# KiCad board power.kicad_pcb (continued)
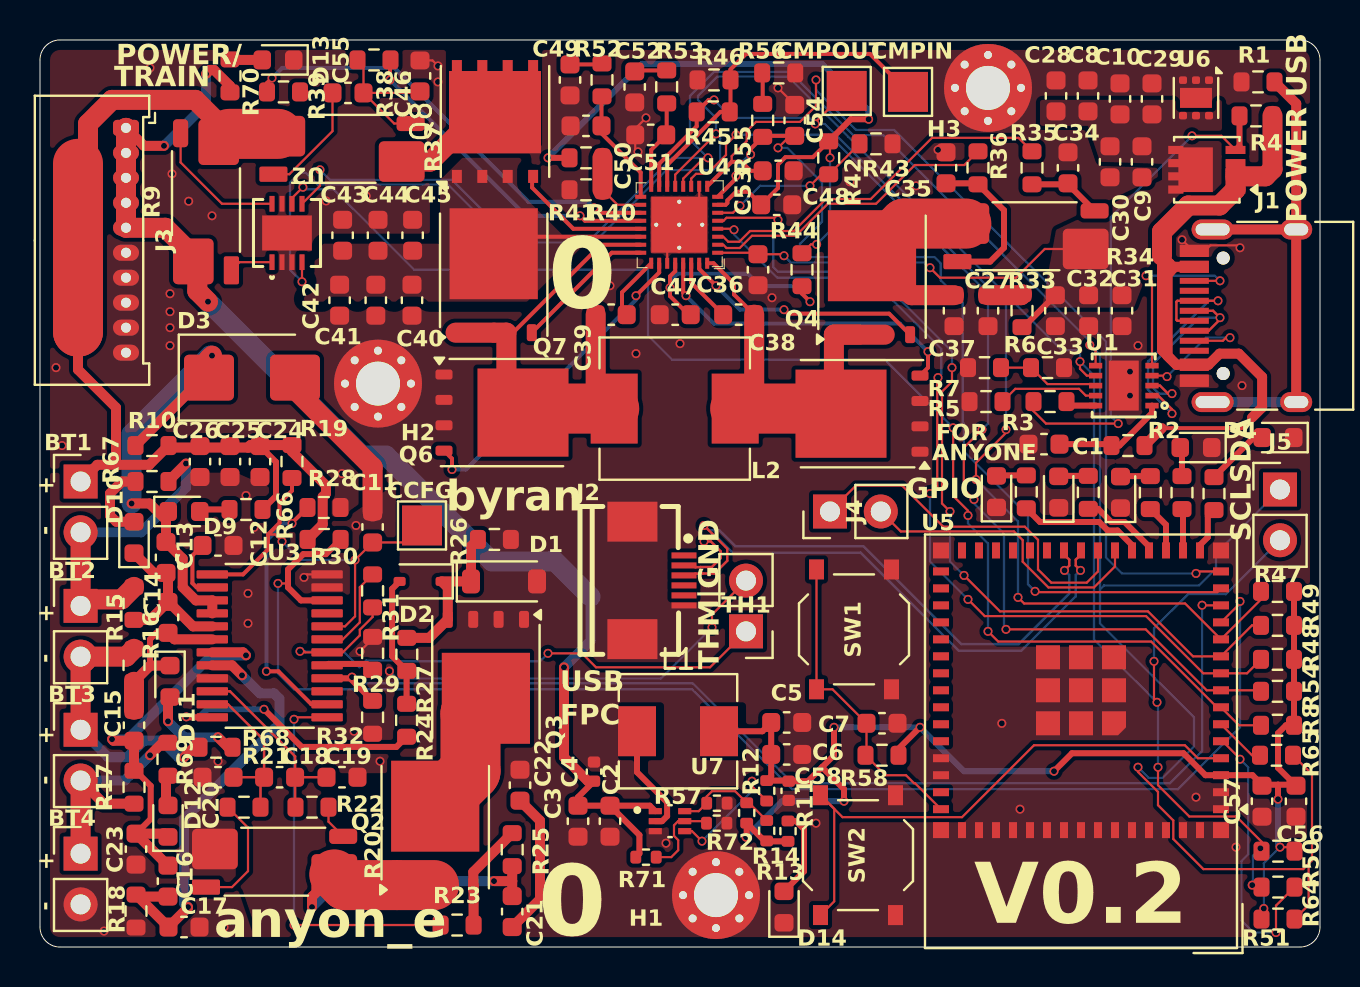
[diagram p0: board, top side]
## Footprints (pads in the part's own frame, mm; a bottom-side part is the same pattern mirrored in y, then rotated) (continued)
  rect 0.2x0.55 smd: 9(-1.4,-1.925) 10(-1,-1.925) 11(-0.6,-1.925) 12(-0.2,-1.925) 13(0.2,-1.925) 14(0.6,-1.925) 15(1,-1.925) 16(1.4,-1.925) 25(1.4,1.925) 26(1,1.925) 27(0.6,1.925) 28(0.2,1.925) 29(-0.2,1.925) 30(-0.6,1.925) 31(-1,1.925) 32(-1.4,1.925)
  round 0.5 hole 0.203: 33(-1.15,0) 33(0,1.15) 33(0,0) 33(0,-1.15) 33(1.15,0)
  rect 2.8x2.8 smd: 33(0,0)
SOP65P640X120-24N
  rrect 1.57x0.41 smd: 1(-2.87,3.575) 2(-2.87,2.925) 3(-2.87,2.275) 4(-2.87,1.625) 5(-2.87,0.975) 6(-2.87,0.325) 7(-2.87,-0.325) 8(-2.87,-0.975) 9(-2.87,-1.625) 10(-2.87,-2.275) 11(-2.87,-2.925) 12(-2.87,-3.575) 13(2.87,-3.575) 14(2.87,-2.925) 15(2.87,-2.275) 16(2.87,-1.625) 17(2.87,-0.975) 18(2.87,-0.325) 19(2.87,0.325) 20(2.87,0.975) 21(2.87,1.625) 22(2.87,2.275) 23(2.87,2.925) 24(2.87,3.575)
SOT50P160X60-6N
  rrect 0.66x0.31 smd: 1(-0.735,0.5) 2(-0.735,0) 3(-0.735,-0.5) 4(0.735,-0.5) 5(0.735,0) 6(0.735,0.5)
SW_Push_1P1T_XKB_TS-1187A
  rect 1x0.75 smd: 1(-3,1.875) 1(3,1.875) 2(-3,-1.875) 2(3,-1.875)
TDSON-8-1
  rrect 1.5x1.5 smd: (-0.2,0.85) (-0.2,-0.85) (1.5,0.85) (1.5,-0.85)
  custom 4.55x4.41 smd: (0.65,0)
  rrect 0.75x0.5 smd: (2.905,1.905) (2.905,0.635) (2.905,-0.635) (2.905,-1.905)
  rrect 0.85x0.5 smd: 1(-2.9,1.905) 2(-2.9,0.635) 3(-2.9,-0.635) 4(-2.9,-1.905)
  rect 4.55x4.41 smd: 5(1.05,0)
TestPoint_Pad_2.0x2.0mm
  rect 2x2 smd: 1(0,0)
USB_C_Receptacle_HRO_TYPE-C-31-M-12
  round 0.65 hole 0.65 unplated: (-2.89,2.6) (2.89,2.6)
  rect 0.6x1.45 smd: A1(-3.25,4.045) A4(-2.45,4.045) A9(2.45,4.045) A12(3.25,4.045) B1(3.25,4.045) B4(2.45,4.045) B9(-2.45,4.045) B12(-3.25,4.045)
  rect 0.3x1.45 smd: A5(-1.25,4.045) A6(-0.25,4.045) A7(0.25,4.045) A8(1.25,4.045) B5(1.75,4.045) B6(0.75,4.045) B7(-0.75,4.045) B8(-1.75,4.045)
  oval 1x2.1 hole 0.6x1.7: S1(-4.32,3.13) S1(4.32,3.13)
  oval 1x1.6 hole 0.6x1.2: S1(-4.32,-1.05) S1(4.32,-1.05)
Vishay_PowerPAK_1212-8_Single
  rect 0.99x0.405 smd: 1(-1.435,0.99) 2(-1.435,0.33) 3(-1.435,-0.33) 4(-1.435,-0.99)
  custom 2.235x2.39 smd: 5(0.557,0)
WSON-6-1EP_2x2mm_P0.65mm_EP1x1.6mm
  rrect 0.81x0.64 smd: (0,0.4) (0,-0.4)
  rrect 0.375x0.4 smd: 1(-0.887,0.65) 2(-0.887,0) 3(-0.887,-0.65) 4(0.887,-0.65) 5(0.887,0) 6(0.887,0.65)
  rect 1x1.6 smd: 7(0,0)

## Nets
+3.3V: C5.1 C6.1 C56.2 C57.2 C58.1 L1.2 R8.2 R11.2 R12.2 R13.2 R14.2 R47.2 R48.2 R49.2 R50.2 R51.2 R54.2 R58.2 U5.3
/3V3_SW: L1.1 U7.2
/VBUS: C8.1 C9.1 C10.1 C28.1 C29.1 C30.1 C31.1 C32.1 C33.1 C36.1 Q1.5 R33.2 R34.4 U4.1 U6.4 U6.5 U6.6
/VDDA: C48.1 R40.2 R42.2 R44.1 U4.7
GND: C1.2 C2.2 C3.2 C4.2 C5.2 C6.2 C7.1 C8.2 C9.2 C10.2 C22.2 C27.2 C28.2 C29.2 C30.2 C31.2 C32.2 C33.2 C34.2 C35.2 C36.2 C37.2 C40.2 C41.2 C42.2 C43.2 C44.2 C45.2 C46.2 C47.2 C48.2 C49.2 C50.2 C51.2 C52.2 C53.1 C54.1 C56.1 C57.1 C58.2 D1.2 D4.1 D5.1 D6.1 D7.1 D8.1 D13.1 D14.1 H1.1 H2.1 H3.1 J1.A1 J1.A12 J1.B1 J1.B12 J2.6 J2.MP J3.6 J3.7 J3.8 J3.9 J3.10 Q3.1 Q3.2 Q3.3 Q5.1 Q5.2 Q5.3 Q6.1 Q6.2 Q6.3 R1.2 R5.2 R6.2 R7.2 R26.1 R28.1 R41.1 R43.1 R46.1 R56.1 R57.1 R72.1 SW1.2 SW2.2 U1.11 U2.2 U2.3 U2.7 U2.9 U4.10 U4.27 U4.33 U5.1 U5.2 U5.42 U5.43 U5.46 U5.47 U5.48 U5.49 U5.50 U5.51 U5.52 U5.53 U5.54 U5.55 U5.56 U5.57 U5.58 U5.59 U5.60 U5.61 U5.62 U5.63 U5.64 U5.65 U6.1 U6.2 U6.3 U6.7 U7.3
GNDPWR: BT4.2 C11.2 C12.2 C17.2 C19.2 C20.2 C23.2 C24.2 C25.2 C26.2 D3.2 R18.1 R20.1 R29.2 R32.2 TH1.2 U3.9 U3.23 U3.24
VDD: C2.1 C3.1 C4.1 J3.1 J3.2 J3.3 J3.4 J3.5 R9.1 R70.1 R71.2 U7.1
/BATDRV_N: Q8.4 U4.21
/BMS_SRN: C18.1 C20.1 R21.2 U3.11
/BMS_SRP: C18.2 C19.1 R22.2 U3.10
/BTST1: C38.2 U4.30
/BTST2: C39.2 U4.25
/C1: BT3.2 BT4.1 R17.1 R69.1
/C2: BT2.2 BT3.1 R16.1 R68.1
/C3: BT1.2 BT2.1 R15.1 R67.1
/C4: BT1.1 C24.1 C25.1 C26.1 R9.4 R10.1 R19.1 R30.2 R37.1 R66.1
/CBI: R32.1 U3.16 U5.13
/CC1: J1.A5 U1.4
/CC2: J1.B5 U1.5
/CELL_BATPRES: R40.1 R41.2 U4.18
/CHG: Q2.4 R23.2 R25.2
/CHRG_OK: R48.1 U4.4 U5.9
/CMPOUT: R45.2 R47.1 TP3.1 U4.15 U5.11
/COMP1: C51.1 R53.2 U4.16
/COMP2: C50.1 R52.2 U4.17
/D+: J1.A6 J1.B6 U1.2
/D-: J1.A7 J1.B7 U1.3
/DSG: D1.1 D2.1 Q3.4 R26.2 R27.2
/EN: C7.2 R58.1 SW1.1 U5.45
/EN_OTG: R49.1 U4.5 U5.10
/HIDRV1: Q4.4 U4.31
/HIDRV2: Q7.4 U4.24
/IADPT: C54.2 R55.2 U4.8 U5.14
/IBAT: C53.2 U4.9 U5.15
/ILIM_HIZ: R42.1 R43.2 U4.6
/IO0: SW2.1 U5.4
/LD: R28.2 U3.14
/LED1: R59.1 U5.16
/LED2: R60.1 U5.17
/LED3: R61.1 U5.18
/LED4: R62.1 U5.19
/LED5: R63.1 U5.20
/LODRV1: Q5.4 U4.29
/LODRV2: Q6.4 U4.26
/PRES: R30.1 U3.22 U5.12
/PROCHOT_N: R54.1 U4.11 U5.8
/REGN: C47.1 R44.2 U4.28
/RXD0: U5.40
/SCL: J5.2 R50.1 R64.2 U1.7 U2.4 U4.13
/SDA: J5.1 R51.1 R65.2 U1.6 U2.5 U4.12
/SRN: R39.1 U4.19
/SRP: R38.1 U4.20
/SW1: C38.1 L2.1 Q4.1 Q4.2 Q4.3 Q5.5 U4.32
/SW2: C39.1 L2.2 Q6.5 Q7.1 Q7.2 Q7.3 U4.23
/TXD0: U5.39
/USB_D+: J2.3 U5.24
/USB_D-: J2.2 U5.23
/USB_VBUS: J2.1
/VC0: C16.2 C17.1 R18.2 U3.8
/VC1: C15.2 C16.1 C23.1 D12.1 R17.2 U3.7
/VC2: C14.2 C15.1 D11.1 R16.2 U3.6
/VC3: C13.2 C14.1 D10.1 R15.2 U3.5
/VC4: C13.1 D3.1 D9.1 R10.2 U3.3 U3.4
/VSYS: C40.1 C41.1 C42.1 C43.1 C44.1 C45.1 Q7.5 Q8.1 Q8.2 Q8.3 U4.22
/~{ALCC}: R8.1 U2.6 U5.7
Net-(C21-Pad1): C21.1 Q2.1 Q2.2 Q2.3 R20.4 R25.1
Net-(C21-Pad2): C21.2 C22.1
Net-(C27-Pad1): C27.1 R33.1
Net-(C34-Pad1): C34.1 R34.3 R35.2
Net-(C35-Pad1): C35.1 R34.2 R36.2
Net-(C46-Pad1): C46.1 C55.1 R37.3 R38.2
Net-(C49-Pad1): C49.1 R52.1
Net-(C52-Pad1): C52.1 R53.1
Net-(C55-Pad2): C55.2 R37.2 R39.2
Net-(D2-A): D2.2 R24.2 R27.1
Net-(D4-A): D4.2 R59.2
Net-(D5-A): D5.2 R60.2
Net-(D6-A): D6.2 R61.2
Net-(D7-A): D7.2 R62.2
Net-(D8-A): D8.2 R63.2
Net-(D9-A): D9.2 R66.2
Net-(D10-A): D10.2 R67.2
Net-(D11-A): D11.2 R68.2
Net-(D12-A): D12.2 R69.2
Net-(D13-A): D13.2 R70.2
Net-(D14-A): D14.2 R11.1
Net-(J1-SHIELD): J1.S1 R1.1
Net-(J1-VBUS-PadA4): J1.A4 J1.A9 J1.B4 J1.B9 Q1.1 Q1.2 Q1.3 R2.1 R4.2
Net-(J4-Pin_1): J4.1 U5.22
Net-(J4-Pin_2): J4.2 U5.21
Net-(Q1-G): Q1.4 R3.2 R4.1
Net-(Q2-D): Q2.5 Q3.5
Net-(Q4-D): C37.1 Q4.5 R34.1
Net-(Q8-D): Q8.5 R37.4
Net-(R20-Pad2): R20.2 R21.1
Net-(R20-Pad3): R20.3 R22.1
Net-(R55-Pad1): R55.1 R56.2
Net-(U1-GATE): R3.1 U1.10
Net-(U1-ISET): R5.1 U1.9
Net-(U1-VIN): C1.1 R2.2 U1.1
Net-(U1-VSET): R6.1 R7.1 U1.8
Net-(U2-SENSE+): R9.2 U2.1
Net-(U2-SENSE-): R9.3 U2.8
Net-(U3-AVDD): C12.1 U3.2
Net-(U3-CCFG): C11.1 R19.2 TP1.1 U3.1 U3.20
Net-(U3-CHG): R23.1 U3.13
Net-(U3-DSG): R24.1 U3.12
Net-(U3-OCDP): R29.1 U3.17
Net-(U3-TS): R31.2 TH1.1 U3.18
Net-(U3-VTB): R31.1 U3.19
Net-(U4-ACN): R36.1 U4.2
Net-(U4-ACP): R35.1 U4.3
Net-(U4-CMPIN): R45.1 R46.2 TP2.1 U4.14
Net-(U5-IO1): R64.1 U5.5
Net-(U5-IO2): R65.1 U5.6
Net-(U7-EN): R71.1 R72.2 U7.5
Net-(U7-FB): R13.1 R14.1 R57.2 U7.6
Net-(U7-PG): R12.1 U7.4

Pads without a net: J1 A8 B8; J2 4 5; U3 15 21; U5 25 26 27 28 29 30 31 32 33 34 35 36 37 38 41 44

## Via types
v1: diameter 0.45, hole 0.3, Top to Bottom, 167 vias

## Routing (per net, layer and track width the routed paths; a pad name or vN(x,y) marks a point on that pad's centre or on a via; arc(x,y) is an arc through that point)
+3.3V: length 67.7
  Top w0.11: R50.2 62.53,5 v1(62,5) ; R51.2 61.19,1.51 v1(61.19,1.93)
  Top w0.3: 62.62,11.02 R8.2 ; R8.2 62.3,11.1 61.9,10.7 61.9,8.97 C56.2 62.75,8.12 61.9,8.12 ; R8.2 R54.2 R48.2 R49.2 R47.2 ; 61.9,8.12 61.1,8.12 60.62,8.6 U5.3 58.27,8.6 57.17,9.7 51.6,9.7 v1(50.7,8.8) ; 61.9,8.12 v1(61.9,7.4) ; 39.1,9 39.7,9.6 v1(39.7,11) ; 39.1,9 40.2,7.9 v1(40.2,7.3) ; 39.1,9 38.4,8.3 C58.1 37.41,8.33 R12.2 36.56,8.55 C6.1 C5.1 36.12,10.8 L1.2 ; v1(44,11) 42.93,9.92 R58.2 ; v1(35.3,5.5) 35.34,5.53 R14.2 36.23,5.31 R13.2 36.36,5.29 R11.2
  Bottom w0.11: v1(62,5) 61.19,4.19 v1(61.19,1.93)
  Bottom w0.3: v1(61.9,7.4) 61.9,5.1 v1(62,5) ; v1(35.3,5.5) 37.1,7.3 v1(40.2,7.3) ; v1(39.7,11) v1(44,11) 46.2,8.8 v1(50.7,8.8)
/3V3_SW: length 5.6
  Top w0.3: L1.1 29.85,8.75 31.36,7.24 31.36,6.55 31.1,6.3 U7.2
/VBUS: length 21.8
  Top w0.11: v1(37.2,34.6) 37.12,34.67 C36.1 35.83,34.75 U4.1 ; R34.4 50.24,34.94 48.8,33.5 45,33.5 v1(44.5,34)
  Top w0.3: R33.2 49.17,31.02 50.77,32.62
  Bottom w0.11: v1(44.5,34) 44.24,34.26 37.54,34.26 v1(37.2,34.6)
/VDDA: length 37.5
  Top w0.11: v1(38.83,35.17) 38.54,35.17 R44.1 ; v1(39.5,39.5) 39.5,40.26 R42.2
  Top w0.2: R42.2 38.65,39.53 37.27,39.53 36.9,39.16 36.9,37.99 C48.1 35.41,37.8 34.8,37.8 34.37,37.37 34.37,37.24 34.28,37.15 U4.7
  Top w0.3: v1(41.43,41.43) 40.54,41.43 R42.2 ; R40.2 v1(25.4,39.5)
  Bottom w0.11: v1(39.5,39.5) 39.5,35.84 v1(38.83,35.17)
  Bottom w0.3: v1(25.4,39.5) 30.1,44.2 39.1,44.2 41.43,41.87 v1(41.43,41.43)
GND: length 11.5
  Top w0.11: U4.10 32.96,37.15 32.32,36.51 ; U4.27 31.36,35.55 U4.33 ; C54.1 37.74,42.16 v1(36.9,43) ; C46.2 19.62,44.37 v1(19.9,44.1) ; v1(57.1,35.4) 57.66,34.84 J1.A12 58.25,34.84 58.52,35.12 59.88,35.12 v1(60,35) ; v1(29.9,39.8) 29.76,39.94 C51.2 29.76,40.96 v1(30.3,41.5)
  vias: v1(0.8,29) v1(1.1,25.1) v1(5.5,44) v1(6.5,32.7) v1(6.5,31.8) v1(6.5,31) v1(6.5,30.1) v1(6.6,38.7) v1(7.43,37.33) v1(8.6,36.6) v1(14.31,37.34) v1(15.1,23.7) v1(16.31,37.59) v1(19.9,43.3) v1(28.5,33.1) v1(29.8,29.7) v1(31.3,5.2) v1(32,30.2) v1(36.6,32.5) v1(38.8,6.2) v1(40.5,38.3) v1(43.8,38.1) v1(44.9,39.9) v1(48.09,11.2) v1(49,6.9) v1(54.5,28.8) v1(54.5,27.6) v1(54.9,30.1) v1(57.8,7.5) v1(59.8,5) v1(60.1,28.1)
GNDPWR: length 30.9
  Top w0.11: v1(13.2,18.5) 13.35,18.65 U3.24 ; TH1.2 33.6,16.64 v1(33.6,16) ; R29.2 16.63,15.43 v1(16,14.8)
  Top w1: C11.2 16.63,24.02 12.75,27.9 D3.2
  Bottom w0.11: v1(17.47,13.81) 17.84,13.44 31.04,13.44 v1(33.6,16)
  vias: v1(3.2,0.8) v1(8.9,9.3) v1(9.2,1) v1(10.3,22.6) v1(10.4,17.7) v1(10.4,16.2) v1(10.7,21) v1(15.7,10.8) v1(15.8,21.1) v1(17,9.3)
VDD: length 64.8
  Top w0.3: U7.1 30.49,7.07 C2.1 ; C4.1 26.9,7.5 C3.1 C2.1 ; R71.2 29.97,4.68 29.97,5.6 C2.1
  Top w0.5: J3.1 5.2,40.1 v1(6.2,40.1) ; v1(26.2,14) 26.2,9.5 27.4,8.3 C4.1 ; R70.1 9.5,43.1 8.7,43.9 8.5,43.9 v1(8.3,43.7)
  Top w1: v1(8.4,32.3) 7.87,32.83 7.87,34.4 6.27,36 J3.5 J3.4 J3.1
  Bottom w0.5: v1(26.2,14) 27.53,15.33 27.53,17.53 ; v1(6.2,40.1) 8.3,42.2 v1(8.3,43.7)
  Bottom w1: v1(8.4,32.3) 16.1,24.6 17.3,24.6 22.6,19.3 25.76,19.3 27.53,17.53
/BATDRV_N: length 6.8
  Top w0.2: 30.04,35.95 26.66,35.95 24.61,38.01 24.61,38.55
/BMS_SRN: length 8.3
  Top w0.122: U3.11 9.4,12.15 11.21,10.34 C18.1 ; R21.2 11.03,8.32 C18.1 ; C18.1 C20.1
/BMS_SRP: length 9.6
  Top w0.122: U3.10 9.5,12.8 12.76,9.54 C18.2 ; C18.2 C19.1 ; C18.2 12.76,7.02 R22.2
/BTST1: length 3.2
  Top w0.2: U4.30 32.56,33.25 C38.2
/BTST2: length 3.3
  Top w0.2: C39.2 29.1,31.88 29.1,32.77 U4.25
/C1: length 12
  Top w0.5: v1(5.5,9.6) 6.12,10.22 R69.1 ; BT3.2 3.19,7.17 R17.1
  Top w1: BT4.1 BT3.2
  Bottom w0.5: BT3.2 4.24,8.33 v1(5.5,9.6)
/C2: length 13.9
  Top w0.5: R68.1 7.7,10 v1(7.2,9.5)
  Top w1: 4.7,14.92 4.31,14.53 BT2.2 BT3.1
  Bottom w0.5: v1(7.2,9.5) 6.91,9.5 6.08,10.33 5.2,10.33 4.37,9.5 3.41,9.5 BT3.1
/C3: length 15.4
  Top w0.5: v1(7.3,24.2) 6.43,23.32 R67.1
  Top w1: R15.1 4.08,17.4 2.36,17.4 BT2.1 BT1.2
  Bottom w0.5: BT1.2 5.06,20.76 7.3,23 v1(7.3,24.2)
/C4: length 50.4
  Top w0.11: 9.47,40.7 9.05,40.28 R9.4
  Top w0.3: R66.1 11.8,22.57 11.8,24.27 C24.1
  Top w0.5: C24.1 10.93,25 10.4,25 ; 10.4,25 6.53,25 R10.1 5.46,24.13 3.8,24.13 ; 10.4,25 10.53,25.12 R19.1 12.6,24.8 14.3,23.1 14.3,22.7 14.14,22.53 14.14,21.15 R30.2 ; 1.9,30.8 1.9,28.9 3.8,27 3.8,24.13 ; 3.8,24.13 2.87,24.13 BT1.1
  Top w1: 2.4,39.7 2.4,41.2 3.6,42.4 7.77,42.4 9.47,40.7
  Top w2.5: 9.47,40.7 11.9,40.7 ; 1.9,39.2 1.9,30.8
/CBI: length 56.8
  Top w0.11: v1(15.6,13.51) 15.6,13.35 15.83,13.13 ; v1(58.1,17.11) 58.11,17.1 U5.13
  Top w0.3: U3.16 15.51,13.45 R32.1
  Bottom w0.11: v1(58.1,17.11) 58.1,9.8 56.5,8.2 37.64,8.2 32.64,13.2 15.91,13.2 v1(15.6,13.51)
/CC1: length 6.6
  Top w0.11: U1.4 56.3,28.6 v1(56.35,28.55) ; v1(59.5,30.5) 59.3,30.5 59.15,30.34 J1.A5
  Bottom w0.11: v1(59.5,30.5) 58.3,30.5 v1(56.35,28.55)
/CC2: length 9.7
  Top w0.11: v1(55.3,33.6) 55.6,33.3 U1.5 ; v1(59,33.34) J1.B5
  Bottom w0.11: v1(59,33.34) 58.75,33.6 v1(55.3,33.6)
/CELL_BATPRES: length 3.8
  Top w0.11: R41.2 28.88,37.15 30.04,37.15
  Top w1: R41.2 R40.1
/CHG: length 5.4
  Top w0.5: R25.2 21.67,3.75 Q2.4 21.68,3.08 R23.2
/CHRG_OK: length 43.8
  Top w0.11: v1(44.5,22.7) 44.86,23.06 44.86,28.46 v1(44.9,28.5) ; U4.4 34.65,35.95 v1(34.7,35.9) ; v1(46.4,17.4) 47.24,16.56 55.3,16.56 58.16,13.7 U5.9 60.35,13.7 R48.1
  Bottom w0.11: v1(44.9,28.5) 45.06,28.66 45.06,29.93 41.5,33.5 36.86,33.5 34.7,35.66 v1(34.7,35.9) ; v1(44.5,22.7) 44.5,19.3 v1(46.4,17.4)
/CMPOUT: length 57.1
  Top w0.11: v1(48.3,25.9) 48.3,25.74 46.8,24.24 v1(46.8,23.4) ; R47.1 61.05,17.4 U5.11 57.26,17.19 49.21,17.19 v1(48.9,17.5) ; TP3.1 38.76,41.28 v1(38.76,41.2)
  Top w0.2: v1(33.7,42.4) 33.44,42.4 R45.2 32.84,41.08 30.96,39.2 U4.15
  Bottom w0.11: v1(48.9,17.5) 48.9,21.3 v1(46.8,23.4) ; v1(48.3,25.9) 48.3,32.14 39.24,41.2 v1(38.76,41.2) 38.46,41.5 34.6,41.5 v1(33.7,42.4)
/COMP1: length 4.5
  Top w0.2: R53.2 31.34,40.67 C51.1 30.56,39.9 U4.16
/COMP2: length 5.8
  Top w0.2: 30.04,37.55 30.04,38.76 28.08,40.72 C50.1 28.08,42.55 R52.2
/D+: length 13.3
  Top w0.122: U1.2 55.91,27.6 56.6,26.91 v1(56.6,26.7) ; J1.A6 56.87,31.34 56.82,31.39 56.82,32.3 56.87,32.34 J1.B6 v1(58.9,32.34)
  Bottom w0.122: v1(58.9,32.34) 58.45,32.34 55.4,29.3 55.4,27.9 v1(56.6,26.7)
/D-: length 10.8
  Top w0.122: J1.A7 58.66,31.84 v1(59,31.5) 59,31.41 58.43,30.84 J1.B7 ; U1.3 56,28.1 56.4,27.7 v1(56.6,27.7)
  Bottom w0.122: v1(56.6,27.7) 55.95,27.7 55.65,28 55.65,29.2 57.95,31.5 v1(59,31.5)
/DSG: length 8.2
  Top w0.5: R26.2 21.55,20.05 D1.1 D2.1 20.39,17.99 Q3.4 19.47,15.47 R27.2
/EN: length 15.7
  Top w0.11: SW1.1 SW1.1 39.62,12.9 C7.2 41.33,9.65 R58.1 42.28,8.6 43.3,8.6 43.7,8.2 43.75,8.2 U5.45
/EN_OTG: length 45.3
  Top w0.11: v1(36.9,36.4) 36.8,36.5 34.32,36.5 34.18,36.35 U4.5 ; R49.1 60.6,16.1 U5.10 57.65,14.55 55.4,16.8 48,16.8 v1(46.2,18.6) ; v1(45.5,21.8) 45.1,22.2 45.1,27.8 45.6,28.3 v1(45.6,29)
  Bottom w0.11: v1(46.2,18.6) 45.5,19.3 v1(45.5,21.8) ; v1(45.6,29) 45.6,29.8 41.6,33.8 36.9,33.8 36.67,34.03 36.67,36.16 v1(36.9,36.4)
/HIDRV1: length 12.2
  Top w0.2: v1(37.2,31.9) 37.4,31.7 42.46,31.7 Q4.4 ; v1(33.8,33.1) 32.96,33.94 U4.31
  Bottom w0.2: v1(37.2,31.9) 35,31.9 v1(33.8,33.1)
/HIDRV2: length 7.1
  Top w0.2: Q7.4 28.59,34.75 30.04,34.75
/IADPT: length 48.5
  Top w0.11: v1(36.9,40) 37.5,40.6 C54.2 ; U5.14 58.86,17.76 49.79,17.76 v1(49.75,17.8)
  Top w0.2: C54.2 36.19,40.6 R55.2 35.53,39.94 v1(35.53,39.67) ; v1(34.8,38.6) 34.8,38.47 U4.8
  Bottom w0.11: v1(49.75,17.8) 49.4,18.16 49.4,21.6 46.19,24.81 46.19,26.21 46.14,26.26 46.14,32.26 45.04,33.36 45.04,34.22 44.72,34.53 38.34,34.53 38.3,34.5 38,34.8 38,35.2 39.1,36.3 39.1,38.26 37.36,40 v1(36.9,40)
  Bottom w0.2: v1(35.53,39.67) 34.8,38.94 v1(34.8,38.6)
/IBAT: length 47.7
  Top w0.11: v1(38.8,43.4) 38.8,42.1 38,41.3 35.8,41.3 35.34,40.83 35.34,40.34 34.58,39.59 34.58,39.3 ; v1(57.8,18.7) 57.9,18.8 U5.15
  Top w0.2: U4.9 34.58,39.3 35.08,39.3 35.53,38.85 C53.2
  Bottom w0.11: v1(57.8,18.7) 54.1,18.7 53.3,19.5 53.3,30.3 42.7,40.9 40.8,40.9 38.8,42.9 v1(38.8,43.4)
/ILIM_HIZ: length 8.5
  Top w0.11: v1(35,37.1) 34.65,36.75 U4.6 ; v1(38.5,38.1) 39.08,38.67 R42.1 39.45,38.67 R43.2
  Bottom w0.11: v1(38.5,38.1) 36,38.1 v1(35,37.1)
/IO0: length 28.9
  Top w0.11: SW2.1 39.71,2.28 39.71,6.91 SW2.1 ; SW2.1 39.11,7.51 ; SW2.1 40.12,6.5 46.1,6.5 49.7,10.1 57.24,10.1 57.89,9.45 U5.4
/LD: length 13
  Top w0.2: R28.2 12.6,21.22 v1(12.6,21.2) ; U3.14 13.57,12.15 11.92,13.8 v1(11.32,13.8)
  Bottom w0.2: v1(11.32,13.8) 11.32,20.34 12.18,21.2 v1(12.6,21.2)
/LED1: length 2.3
  Top w0.3: R59.1 58.39,21.56 58.39,20.51 58,20.12 U5.16
/LED2: length 2.1
  Top w0.3: R60.1 57.15,21.87 U5.17
/LED3: length 2.4
  Top w0.3: U5.18 56.3,21.13 R61.1
/LED4: length 4
  Top w0.3: R62.1 52.91,21.93 53.56,21.27 54.23,21.27 55.45,20.05 U5.19
/LED5: length 6.3
  Top w0.3: U5.20 54.6,20.12 53.87,20.85 53.39,20.85 52.96,21.27 50,21.27 R63.1
/LODRV1: length 16.3
  Top w0.2: v1(44.4,29.8) 44.4,29 Q5.4 ; U4.29 32.16,32.74 v1(32.3,32.6)
  Bottom w0.2: v1(44.4,29.8) 43,31.2 33.7,31.2 v1(32.3,32.6)
/LODRV2: length 16.1
  Top w0.2: v1(20.6,23.9) 20.6,24.44 Q6.4 ; v1(29.8,32.6) 30.96,33.76 U4.26
  Bottom w0.2: v1(20.6,23.9) 21.3,23.9 29.8,32.4 v1(29.8,32.6)
/PRES: length 70.9
  Top w0.11: U5.12 60,17.2 v1(60,17.3) ; 12.4,18.2 v1(11.9,18.2)
  Top w0.3: R30.1 14.3,19.66 13.17,19.66 12.4,18.9 12.4,18 13.05,17.35 U3.22
  Bottom w0.11: v1(11.9,18.2) 11.9,13.7 12.7,12.9 32.6,12.9 37.6,7.9 56.9,7.9 60,11 v1(60,17.3)
/PROCHOT_N: length 51.9
  Top w0.11: v1(34.8,40.65) 34.3,40.15 34.3,39.64 33.36,38.7 32.8,38.7 32.56,38.46 U4.11 ; v1(46.7,22.4) 46.19,22.91 46.19,24.99 v1(47.1,25.9) ; R54.1 61,12.85 U5.8 58.34,12.85 55.29,15.9 v1(48.3,15.9)
  Bottom w0.11: v1(46.7,22.4) 46.7,22.2 48.2,20.7 48.2,16 v1(48.3,15.9) ; v1(47.1,25.9) 47.4,26.2 47.4,32.7 39.45,40.65 v1(34.8,40.65)
/REGN: length 12.2
  Top w0.2: U4.28 31.76,33.83 31.5,33.57 v1(31.5,33) 31.5,32.58 32.43,31.65 C47.1 ; R44.2 38.1,32.7 v1(38.5,32.3)
  Bottom w0.2: v1(31.5,33) 31.5,33.32 31.88,33.7 35.4,33.7 36.02,33.08 37.72,33.08 v1(38.5,32.3)
/SCL: length 109.5
  Top w0.11: v1(61.02,4.94) 61.02,4.85 R50.1 61.08,5.27 59.81,6.53 57.47,6.53 55.9,8.1 v1(55.9,9) ; v1(55.7,14.3) 55.7,12.4 v1(55.85,12.25) ; U1.7 52.34,28.6 52,28.94 v1(52,29.3) ; R64.2 60.98,3.1 v1(60.61,3.1) ; v1(33.8,40.7) 31.76,38.66 U4.13 ; U2.4 v1(13.1,33.3)
  Bottom w0.11: v1(60.61,3.1) 60.65,3.14 60.65,4.57 v1(61.02,4.94) ; 22.18,36.38 20.4,38.16 13.87,38.16 13.29,38.75 12.99,38.75 12.5,38.26 12.5,33.9 v1(13.1,33.3) ; 22.18,36.38 23.3,35.26 27.7,35.26 31.33,38.89 33.65,38.89 34.01,39.25 34.01,40.49 v1(33.8,40.7) 33.8,41.5 32.9,42.4 32.9,42.6 33.86,43.56 37.4,43.56 51.09,29.88 51.88,29.88 52,29.76 v1(52,29.3) 52.7,28.6 52.7,15.4 v1(55.85,12.25) 55.9,12.2 v1(55.9,9) ; 22.18,36.38 22.16,36.4 ; J5.2 59.3,17.66 57.4,17.66 55.7,15.96 v1(55.7,14.3)
/SDA: length 115.7
  Top w0.11: v1(54.9,9) 54.9,8.76 55.9,7.76 55.9,7.1 56.67,6.33 56.67,5.41 58.17,3.9 63.16,3.9 63.43,4.17 ; R65.2 63.6,8.65 63.6,4.34 63.43,4.17 ; v1(52.49,30.13) 52.78,29.84 U1.6 ; 63.43,4.17 63.43,2.11 R51.1 ; U4.12 32.16,38.46 33.2,39.5 v1(33.4,39.5) ; U2.5 14,38.1 v1(14,38.9)
  Bottom w0.11: v1(54.9,9) 55.44,8.46 56.12,8.46 57.7,10.04 57.7,11.5 53,16.2 53,29.62 v1(52.49,30.13) 52.49,30.31 42.16,40.64 40.66,40.64 37.5,43.8 33.7,43.8 32.5,42.6 32.5,40.4 v1(33.4,39.5) 31.6,39.5 27.6,35.5 23.5,35.5 20.6,38.4 14.5,38.4 v1(14,38.9) ; 53,17.9 53.2,18.1 57.96,18.1 58.8,18.94 58.8,19.7 J5.1
/SRN: length 22.4
  Top w0.2: v1(27.7,37) 27.95,36.75 30.04,36.75 ; v1(11.6,43.49) 11.35,43.24 R39.1
  Bottom w0.2: v1(27.7,37) 27.4,37.3 24.42,37.3 17.72,44 12.11,44 v1(11.6,43.49)
/SRP: length 16.5
  Top w0.2: 30.04,36.35 27.25,36.35 v1(27,36.6) ; R38.1 17.5,44.37 v1(17.5,43.4)
  Bottom w0.2: v1(17.5,43.4) 24.3,36.6 v1(27,36.6)
/SW1: length 22.1
  Top w0.2: C38.1 34.7,32.66 34.7,33.2 33.67,34.23 U4.32
  Top w1: Q4.1 40.97,30.65 ; Q4.1 39.7,27.05 Q5.5 ; Q4.1 Q4.3 ; C38.1 35.71,27.9 L2.1
  Top w2.5: Q5.5 39.8,26.95 L2.1
/SW2: length 25.8
  Top w0.2: 30.04,35.15 28.05,35.15 23.65,30.75 22.7,30.75
  Top w1: Q6.5 23.32,27.58 Q7.3 Q7.1 ; C39.1 27.79,27.87 L2.2
  Top w2.5: Q6.5 24.35,26.95 L2.2
/USB_D+: length 28.9
  Top w0.122: v1(33.2,21.1) 34.36,19.94 34.36,19.33 33.73,18.7 33.15,18.7 33.14,18.69 32.76,18.69 32.68,18.6 J2.3 ; v1(51.23,18.85) 51.46,19.09 51.46,19.39 51.2,19.65 U5.24
  Bottom w0.122: v1(51.23,18.85) 51.46,18.61 51.46,17.69 48.93,15.16 46.07,15.16 41.17,20.06 34.77,20.06 33.97,20.86 33.44,20.86 v1(33.2,21.1)
/USB_D-: length 28.2
  Top w0.122: U5.23 52.05,19.65 51.79,19.39 51.79,19.09 v1(52.03,18.85) ; v1(33.2,20.3) 33.54,20.3 34.04,19.8 34.04,19.47 33.59,19.02 33.02,19.02 33.01,19.01 32.76,19.01 32.68,19.1 J2.2
  Bottom w0.122: v1(33.2,20.3) 33.44,20.54 33.83,20.54 34.63,19.74 41.03,19.74 45.93,14.84 49.07,14.84 51.79,17.56 51.79,18.61 v1(52.03,18.85)
/VC0: length 21.9
  Top w0.5: v1(10.1,13.6) 9.6,14.1 U3.8 ; v1(7.4,2) 7.4,1.97 C17.1 R18.2 4.9,2.52 C16.2
  Bottom w0.5: v1(10.1,13.6) 11,12.7 11.7,12.7 11.97,12.43 11.97,11.17 7.2,6.4 7.2,2.2 v1(7.4,2)
/VC1: length 20.6
  Top w0.3: R17.2 4.78,8.82 5.54,8.06 5.54,6.41 C23.1
  Top w0.5: C16.1 C23.1 6.24,5.67 D12.1 ; v1(3.6,10.4) 3.68,10.32 C15.2 R17.2 ; v1(10.3,14.6) 10.15,14.75 U3.7
  Bottom w0.5: v1(3.6,10.4) 4.38,10.4 8.58,14.6 v1(10.3,14.6)
/VC2: length 9.4
  Top w0.3: 4.7,13.27 5.5,14.07 5.5,15.4 5.83,15.72 C14.2
  Top w0.5: U3.6 6.73,15.4 C14.2 ; D11.1 5.51,14.09 4.7,13.27
  Top w1: C15.1 4.7,13.27
/VC3: length 8.3
  Top w0.5: D10.1 5.69,18.72 C13.2 6.4,18.62 C14.1 ; C14.1 6.43,17.27 7.65,16.05 U3.5 ; C14.1 5.5,16.37 R15.2
/VC4: length 23.5
  Top w0.5: D3.1 8.18,28.5 R10.2 ; U3.4 U3.3 7.79,17.35 7.14,18.01 7.14,19.44 C13.1 6.3,21.38 5.48,22.2 v1(4.58,22.2)
  Top w1: v1(8.6,29.6) 8.45,29.45 D3.1
  Bottom w1: v1(8.6,29.6) 8.5,29.6 4.58,25.68 v1(4.58,22.2)
/VSYS: length 7.7
  Top w0.2: 30.04,35.55 23.54,35.55 Q7.5
/~{ALCC}: length 67
  Top w0.11: v1(47.4,15.8) 47.91,15.29 55.56,15.29 58.85,12 U5.7 59.95,11.1 R8.1 ; v1(13.14,38.03) 12.6,37.49 U2.6 ; v1(46.4,21.6) 46.4,21.84 45.66,22.58 v1(45.66,25.99)
  Bottom w0.11: v1(47.4,15.8) 47.4,20.2 46.4,21.2 v1(46.4,21.6) ; v1(13.14,38.03) 13.25,37.93 14.68,37.93 18.7,33.9 30.4,33.9 30.4,30.6 31.6,29.4 42.24,29.4 v1(45.66,25.99)
Net-(C21-Pad1): length 19.4
  Top w0.5: v1(13.6,2) 13.6,2.52 R20.4 ; 23.61,3.3 C21.1 ; 23.61,3.3 R25.1 ; 23.61,3.3 v1(22.7,3.3)
  Top w2.5: R20.4 15.25,3.1 Q2.1 19.7,3.1
  Bottom w0.5: v1(22.7,3.3) 14.9,3.3 v1(13.6,2)
Net-(C21-Pad2): length 7.3
  Top w0.5: C22.1 25,6.32 25,2.39 C21.2
Net-(C27-Pad1): length 1.7
  Top w1: R33.1 49.05,32.62 47.4,32.62
Net-(C34-Pad1): length 3.8
  Top w0.3: R35.2 51.35,38.17 C34.1 51.4,38.17 R34.3
Net-(C35-Pad1): length 8
  Top w0.3: R34.2 47.51,34.3 48.2,35 48.2,36.87 R36.2 46.85,38.22 C35.1
Net-(C46-Pad1): length 7.6
  Top w0.11: C46.1 18.93,42.75 C55.1 ; R37.3 17.71,41.22 C55.1 ; C55.1 16.18,44.1 R38.2
Net-(C49-Pad1): length 1.6
  Top w0.2: R52.1 28.05,44.17 C49.1
Net-(C52-Pad1): length 1.6
  Top w0.2: R53.1 29.79,43.87 C52.1
Net-(C55-Pad2): length 7.4
  Top w0.11: R37.2 12.47,38.68 14.62,40.84 C55.2 14.58,42.8 R39.2
Net-(D2-A): length 6.6
  Top w0.3: R24.2 18.33,13.81 R27.1 17.61,14.56 17.61,17.92 D2.2
Net-(D4-A): length 3.2
  Top w0.3: D4.2 60.68,25.5 R59.2
Net-(D5-A): length 1.5
  Top w0.3: D5.2 57.1,24.91 R60.2
Net-(D6-A): length 1.5
  Top w0.3: R61.2 54.05,23.57 D6.2
Net-(D7-A): length 1.5
  Top w0.3: D7.2 50.96,23.58 R62.2
Net-(D8-A): length 1.5
  Top w0.3: R63.2 47.85,23.61 D8.2
Net-(D9-A): length 1.5
  Top w0.3: R66.2 8.09,21.9 D9.2
Net-(D10-A): length 4
  Top w0.5: D10.2 3.81,21.29 3.5,21.6 3.5,22.7 4.1,23.3 R67.2
Net-(D11-A): length 5
  Top w0.5: D11.2 6.4,12.41 v1(6.4,11.3) ; v1(8.9,10.5) 9.4,10 R68.2
  Bottom w0.5: v1(8.9,10.5) 7.2,10.5 v1(6.4,11.3)
Net-(D12-A): length 1.6
  Top w0.5: R69.2 6.3,8.47 6.3,7.19 D12.2
Net-(D13-A): length 1.6
  Top w0.5: D13.2 9.53,44.4 9.5,44.42
Net-(D14-A): length 4.5
  Top w0.3: R11.1 37.79,6.31 38.2,5.9 38.2,3.79 D14.2
Net-(J1-SHIELD): length 24.8
  Top w0.5: J1.S1 62.81,27.27 ; J1.S1 62.81,42.21 R1.1 ; J1.S1 J1.S1
  Bottom w0.5: 58.63,27.27 62.81,27.27
Net-(J1-VBUS-PadA4): length 37.5
  Top w0.2: 60.6,26.5 60.07,25.97 56.09,25.97
  Top w0.5: 56.82,29.14 J1.A4 58.43,29.14 58.98,29.7 59.94,29.7 61.11,28.53 61.11,27 60.6,26.5 ; 56.82,29.14 56.1,29.86 56.1,34.6 56.5,34.2 56.5,33.8 ; 56.82,29.14 56.38,29.58 56.38,33.68 56.5,33.8 ; J1.A9 56.75,34.04 56.5,33.8 ; R2.1 56.09,25.97
  Top w1: 56.1,34.6 56.1,35.8 57.42,37.11 58.98,37.11 Q1.1 59.78,38.87 59.8,38.9 ; Q1.2 61.27,38.57 61.62,38.93 R4.2
Net-(J4-Pin_1): length 18.1
  Top w0.11: U5.22 52.9,18.8 52.34,18.24 50.56,18.24 49.9,18.9 49.9,20.38 49.24,21.04 45.16,21.04 43.1,23.1 40.8,23.1 J4.1
Net-(J4-Pin_2): length 15.2
  Top w0.11: J4.2 43.04,20.8 48.7,20.8 49.14,20.36 49.14,19.28 50.42,18 52.7,18 53.75,19.05 U5.21
Net-(Q1-G): length 25.5
  Top w0.11: v1(53.91,26.2) 50.3,26.2 49.68,26.82 R3.2 ; Q1.4 59.07,40.6 v1(57.6,40.6)
  Top w0.3: R4.1 59.98,40.09 Q1.4
  Bottom w0.11: v1(53.91,26.2) 53.54,26.57 53.54,36.54 v1(57.6,40.6)
Net-(Q2-D): length 6.5
  Top w3: Q2.5 21.53,8.81 21.53,11.68 Q3.5
Net-(Q4-D): length 10.3
  Top w1: Q4.5 43.58,32.62 45.7,32.62
  Top w2.5: R34.1 43.21,36.21 Q4.5
Net-(Q8-D): length 5.9
  Top w1: 18.09,39.31 19.52,39.31 22.7,42.5
Net-(R20-Pad2): length 6.1
  Top w0.11: R21.1 10.4,5.97 10.4,3.8 9.6,3 R20.2
Net-(R20-Pad3): length 1.8
  Top w0.11: R22.1 14.43,6.27 R20.3
Net-(R55-Pad1): length 1.6
  Top w0.2: R55.1 36.14,43.72 R56.2
Net-(U1-GATE): length 1.5
  Top w0.3: R3.1 51.53,27.1 U1.10
Net-(U1-ISET): length 5.1
  Top w0.11: U1.9 52.29,27.6 51.95,27.94 48.77,27.94 R5.1
Net-(U1-VIN): length 5.7
  Top w0.3: C1.1 53.51,25.17 R2.2 53.98,25.1 55.6,26.72 U1.1
Net-(U1-VSET): length 5.1
  Top w0.11: R7.1 R6.1 50.37,28.18 52.7,28.18 U1.8
Net-(U2-SENSE+): length 2.2
  Top w0.11: R9.2 9.98,34.28 U2.1
Net-(U2-SENSE-): length 6.9
  Top w0.11: R9.3 7.03,39.27 9.1,37.2 U2.8
Net-(U3-AVDD): length 3.2
  Top w0.2: C12.1 7.62,19.59 7.62,18.21 7.83,18 U3.2
Net-(U3-CCFG): length 20.7
  Top w0.11: U3.20 15.25,16.05 15.75,16.55 v1(15.75,19.37) C11.1 18.25,20.25 TP1.1 ; 11.4,20.65 11.75,20.65 v1(12.1,20.3)
  Top w0.2: 12.6,23.47 12.6,22.84 11.98,22.22 11.98,21.23 11.4,20.65 11.4,19.9 10.15,18.65 U3.1
  Bottom w0.11: v1(15.75,19.37) 13.03,19.37 v1(12.1,20.3)
Net-(U3-CHG): length 19.3
  Top w0.11: v1(12.7,11.4) 12.8,11.5 U3.13 ; R23.1 v1(12.7,1.1)
  Bottom w0.11: v1(12.7,1.1) v1(12.7,11.4)
Net-(U3-DSG): length 13.5
  Top w0.3: v1(7.32,11.52) 7.34,11.5 U3.12 ; v1(11.2,11.9) 13.09,10.01 17.82,10.01 18.33,10.52
  Bottom w0.3: v1(11.2,11.9) 8.35,11.9 7.98,11.52 v1(7.32,11.52)
Net-(U3-OCDP): length 2.4
  Top w0.3: R29.1 16.34,14.17 14.43,14.17 U3.17
Net-(U3-TS): length 29
  Top w0.11: R31.2 16.63,16.52 15.99,15.88 15.99,15.6 15.14,14.75 U3.18 13.25,14.75 13.2,14.8 v1(13,14.8) ; TH1.1 33.5,14 27.8,14 27.1,14.7 v1(25.4,14.7)
  Bottom w0.11: v1(13,14.8) 15.17,14.8 15.97,14 16.32,14.34 17.69,14.34 17.74,14.3 25,14.3 v1(25.4,14.7)
Net-(U3-VTB): length 4.7
  Top w0.11: U3.19 15.14,15.4 15.99,16.25 15.99,18.01 R31.1
Net-(U4-ACN): length 16.2
  Top w0.11: R36.1 47.17,40.09 ; 47.17,40.09 46.22,39.14 43.74,39.14 41.8,37.2 39.39,37.2 37.79,35.6 35.6,35.6 34.99,34.99 34.32,34.99 34.16,35.15 U4.2 ; 47.17,40.09 47.17,39.7
Net-(U4-ACP): length 18.3
  Top w0.11: R35.1 48.93,40.5 44.6,40.5 41.54,37.44 39.29,37.44 37.69,35.84 35.5,35.84 34.96,35.3 34.41,35.3 34.16,35.55 U4.3
Net-(U4-CMPIN): length 17.4
  Top w0.2: U4.14 31.36,39.14 34.02,41.8 R45.1 34.53,41.84 R46.2 34.53,43.92 35.3,44.7 41.5,44.7 TP2.1
Net-(U5-IO1): length 14.4
  Top w0.11: v1(60,9.4) 60,9.43 59.13,10.3 U5.5 ; v1(61.8,0.72) 61.8,2.07 R64.1
  Bottom w0.11: v1(60,9.4) 60.41,8.99 60.41,4.65 60.08,4.31 60.08,1.32 60.68,0.72 v1(61.8,0.72)
Net-(U5-IO2): length 2.6
  Top w0.11: U5.6 60.6,9.6 R65.1
Net-(U7-EN): length 4.3
  Top w0.11: R71.1 31.56,4.5 31.91,4.85 31.91,5.35 31.7,5.56 31.7,6.09 31.91,6.3 U7.5 33.23,6.3 R72.2
Net-(U7-FB): length 5.3
  Top w0.11: U7.6 32.94,6.8 R57.2 33.34,7.53 33.6,7.8 34.76,7.8 R14.1 35.45,7.22 R13.1
Net-(U7-PG): length 6.4
  Top w0.11: U7.4 32.6,5.8 v1(33.1,5.3) ; R12.1 35.6,8.04 v1(35.6,8.3)
  Bottom w0.11: v1(33.1,5.3) 35.6,7.8 v1(35.6,8.3)

## Copper pours and planes (outline as drawn; the poured copper is in the pictures)
/VBUS on Top: 50,42.4 50,41.1 52.4,41.1 53,39.3 56.1,39.2 56.1,38.4 50.8,35.9 50.1,32 54.7,32 56.4,36.5 59.1,37.3 59.1,42.4
GND on Top, Bottom, In1.Cu, In2.Cu: -1.2,46.2 -1.2,-2.8 64.8,-2.8 64.8,46.2
GNDPWR on Top, Bottom, In1.Cu, In2.Cu: -1.2,23.74 9.8,23.74 15.2,21.4 17.8,23.2 17.7,8.7 9.7,8.7 9.8,3.2 11.8,-2.8 -1.2,-2.8
/VSYS on Top, In1.Cu: 13.2,32.3 26.6,32.3 30.3,34.9 30.3,35.9 26.2,35.9 25,39.5 20,39.5 20,35.2 13.2,35.2

## Text on the board
